# KiCad board AICORS_PCB.kicad_pcb (continued)
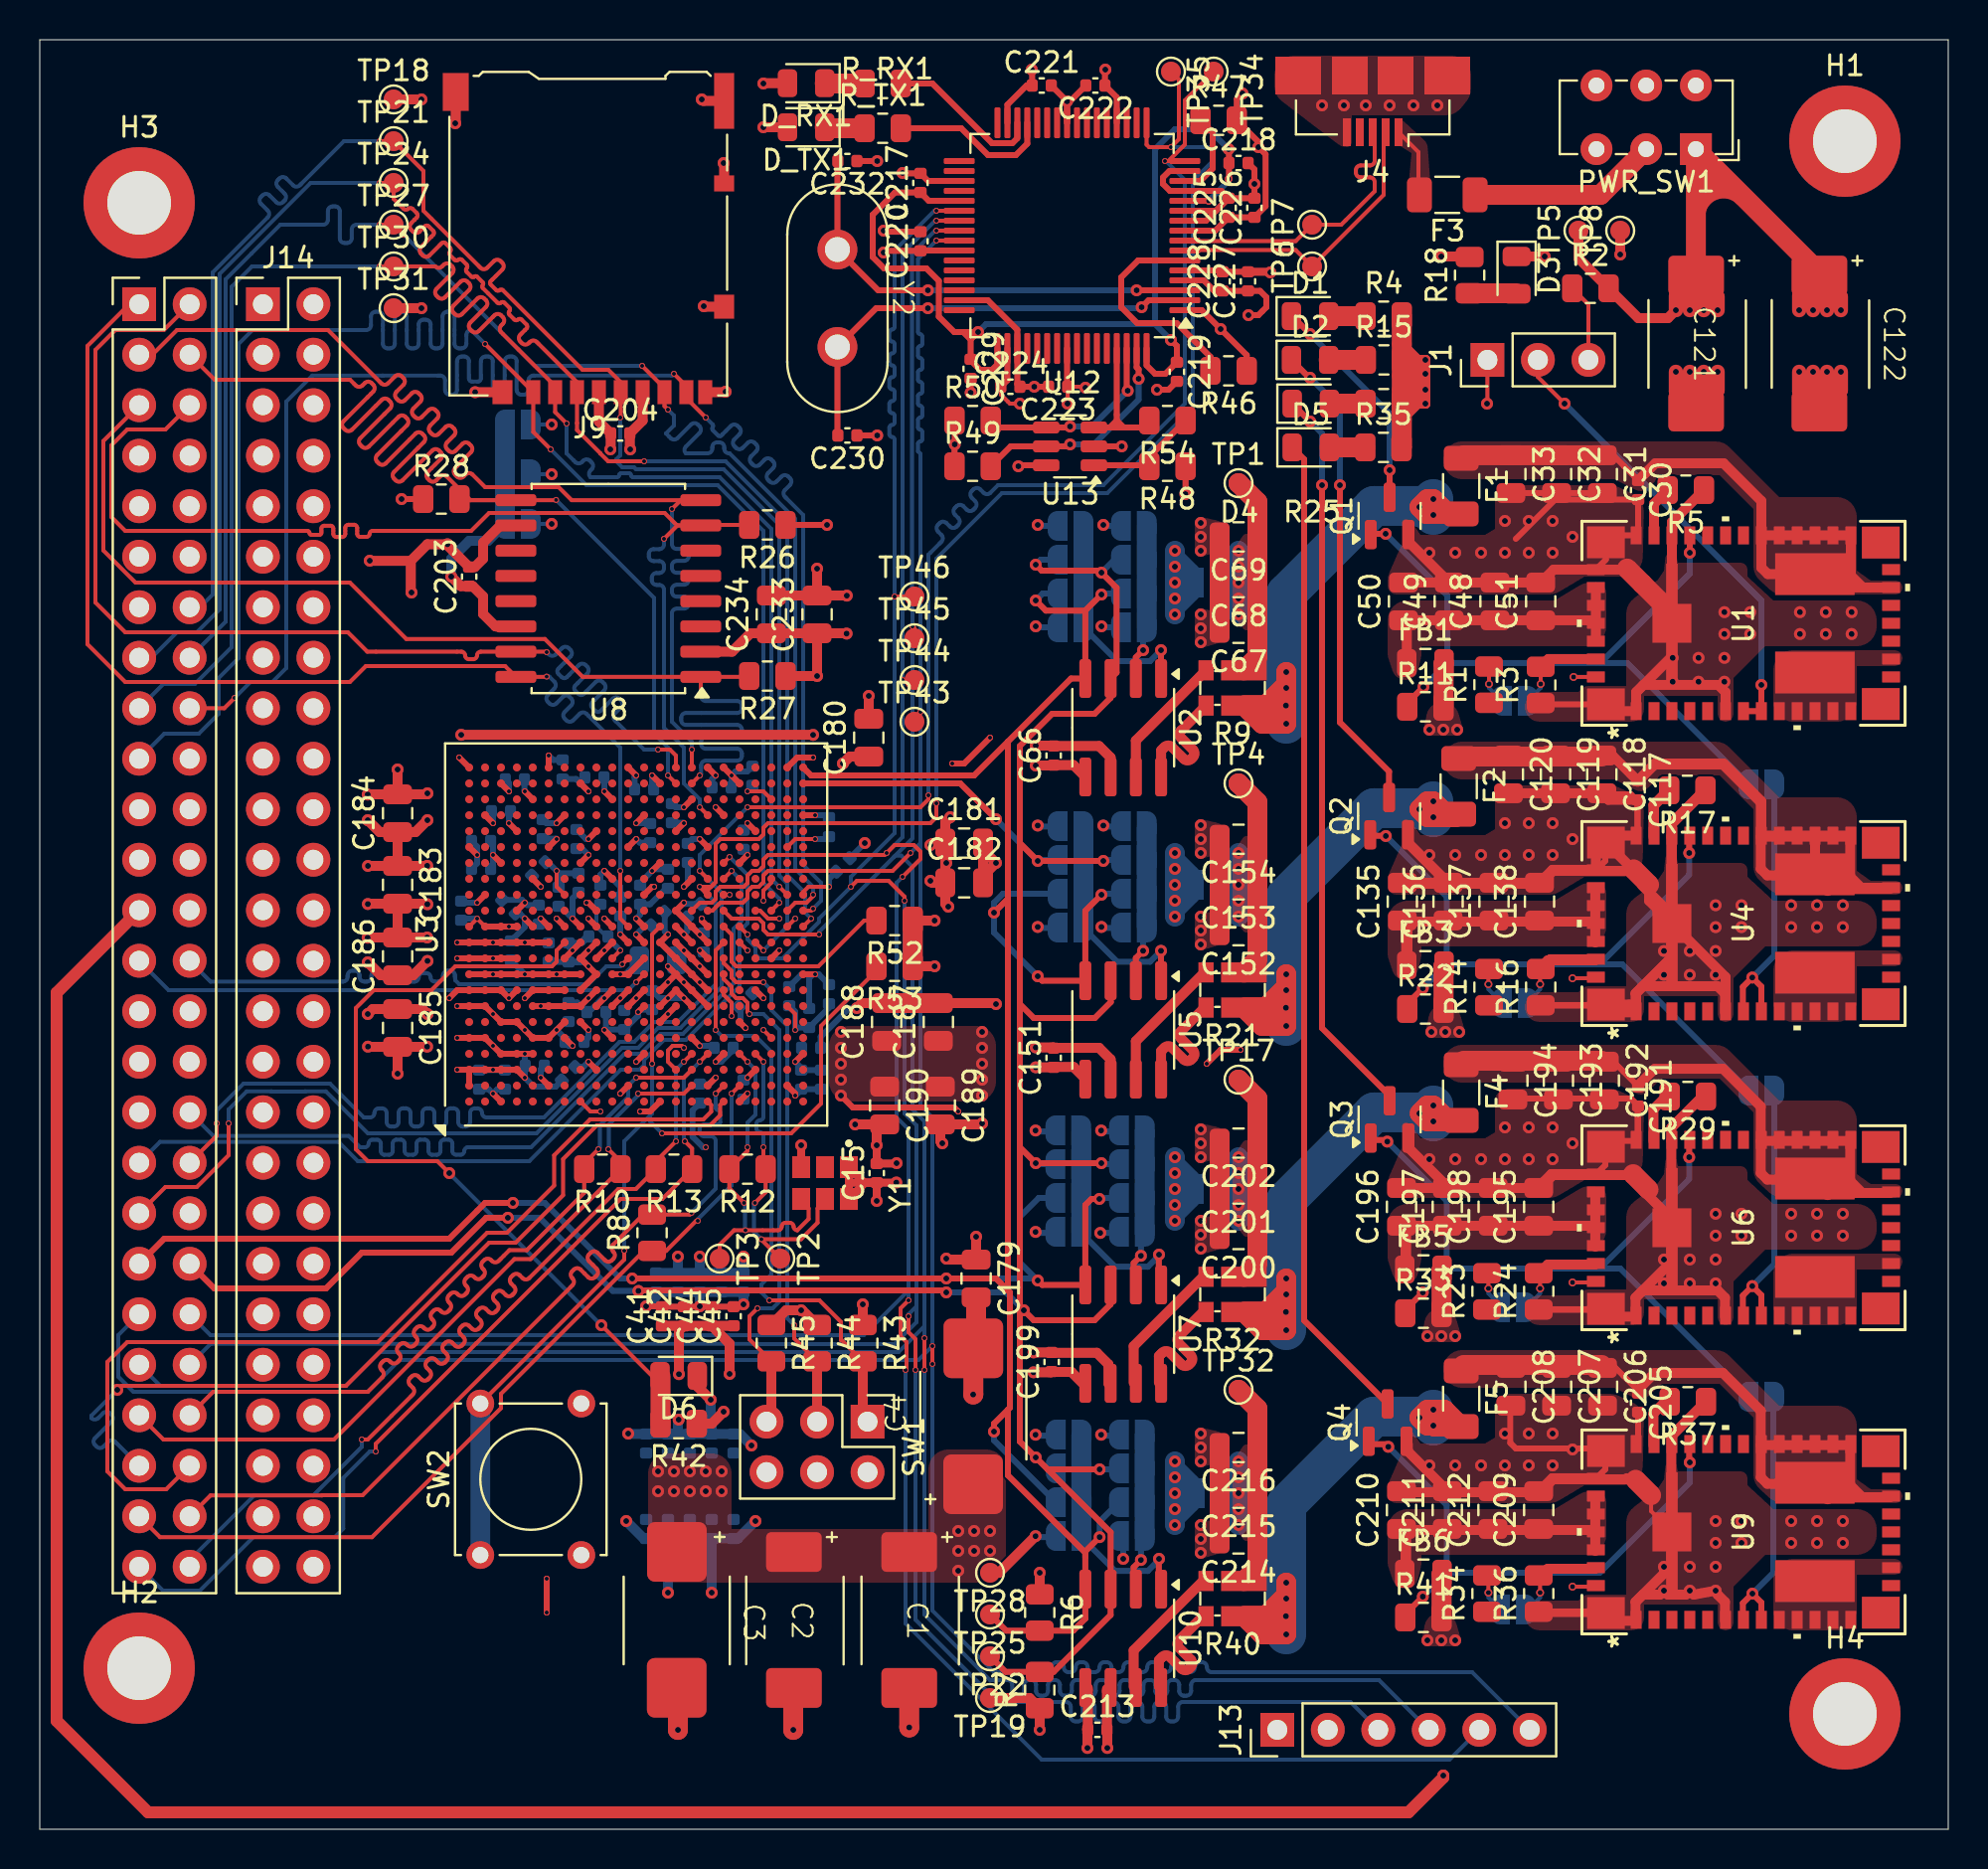
[diagram p0: board, top side]
## Routing (per net, layer and track width the routed paths; a pad name or vN(x,y) marks a point on that pad's centre or on a via; arc(x,y) is an arc through that point) (continued)
+5V: length 190.1
  Top w0.2: 83.68,81.1 arc(84.31,82.05) 85.43,81.82
  Top w0.5: v4(69.7,71.7) 69.31,71.7 68.51,70.9 ; v4(69.7,71.7) v4(69.7,73.9) ; v4(69.7,71.7) R25.2 ; 70.61,43.5 70.61,41.33 70.58,41.3 ; v4(69.7,73.9) 69.31,73.9 68.51,74.7 ; v4(69.7,73.9) R15.2 ; v4(69.7,73.2) 68.61,73.2 68.51,73.1 ; v4(69.7,72.4) 68.51,72.4 ; 70.61,28.2 70.61,26.03 70.58,26 ; 70.58,10.7 70.61,10.73 70.61,12.9 ; 71.91,79.1 70.49,79.1 ; v4(82.3,76.4) 81.9,76 80.41,76 R2.2 77.4,79.01 TP5.1
  Top w0.6: J10.25 0.85,42.07 0.85,5.45 5.45,0.85 68.85,0.85 70.6,2.6 v2(70.6,2.7)
  Top w0.71: v4(83,76.4) 83,77.82 C121.1 ; v4(90.6,76.4) 90.6,77.06 C122.1 ; C121.1 84.4,77.06 v4(84.4,76.4) ; C121.1 83.7,77.76 v4(83.7,76.4) ; C121.1 82.3,77.12 v4(82.3,76.4) ; C122.1 89.2,77.82 v4(89.2,76.4) ; C122.1 88.5,77.12 v4(88.5,76.4) ; C122.1 89.9,77.76 v4(89.9,76.4)
  Top w1: C121.1 83.31,78.15 PWR_SW1.1 89.52,78.29 C122.1 ; R33.2 70.51,28.13 FB5.2 ; R4.2 68.51,69.51 R35.2 ; R41.2 70.51,12.83 FB6.2 ; FB1.2 70.61,58.63 R11.2 ; FB3.2 70.61,43.43 R22.2
  vias: v2(69.8,24.8) v2(69.8,9.5) v2(69.9,55.3) v2(70,40.1) v2(70.5,79.1) v2(70.5,24.8) v2(70.5,9.5) v2(70.6,55.3) v2(70.7,40.1) v2(71.2,24.8) v2(71.2,9.5) v2(71.3,55.3) v2(71.4,40.1)
/VCCADC: length 4.4
  Top w0.2: U3.K10 v1(29.2,44.2)
  Bottom w0.2: v1(29.2,44.2) 28,45.4 28,46.32 C87.1
  Bottom w0.3: C86.1 28.58,44.82 v1(29.2,44.2)
AGND: length 3.7
  Top w0.3: U3.M10 U3.L9 U3.K9
  Bottom w0.2: FB4.1 30.16,43.4
  Bottom w0.3: 30.16,43.46 FB4.1 29.46,43 v1(29.2,43)
AGND_1: length 25.8
  Top w0.3: U1.1 75.56,56.58 R3.1
  Top w0.5: U1.45 82.1,61.15 ; U1.45 82.1,58.98 80.3,57.18 ; U1.45 82.1,60.65 U1.34 82.1,65.74 R5.1 ; U1.1 79.12,56.23 U1.2 80.3,57.18 ; 80.3,57.18 80.67,57.55 84.43,57.55 84.8,57.18 U1.7
  Top w1: 82.1,61.15 NT1.2
  vias: v2(82.14,58.91) v2(82.14,57.71) v2(83.44,58.91) v2(83.44,57.71) v2(84.74,61.21) v2(84.74,60.11) v2(84.74,58.91) v2(84.74,57.71) v2(86.04,61.21) v2(86.04,60.11) v2(88.54,61.21) v2(88.54,60.11) v2(89.84,61.21) v2(89.84,60.11) v2(91.14,61.21) v2(91.14,60.11)
AGND_2: length 29.1
  Top w0.3: 78.61,26.15 75.39,26.15 ; 78.75,26.12 75.53,26.12 75.47,26.19
  Top w0.5: 78.75,26.12 79.09,25.78 80.27,25.78 80.27,26.73 ; 80.27,26.73 80.64,27.1 84.4,27.1 84.77,26.73 84.77,25.78 ; 80.27,26.73 82.07,28.53 82.07,30.2 ; 82.07,30.2 82.07,30.7 80.59,32.18 ; 82.07,30.2 82.07,35.29 83.68,36.9
  vias: v2(81.7,28.65) v2(81.7,27.45) v2(83,28.65) v2(83,27.45) v2(84.3,30.95) v2(84.3,29.85) v2(84.3,28.65) v2(84.3,27.45) v2(85.6,30.95) v2(85.6,29.85) v2(88.1,30.95) v2(88.1,29.85) v2(89.4,30.95) v2(89.4,29.85) v2(90.7,30.95) v2(90.7,29.85)
AGND_3: length 51.2
  Top w0.3: 75.47,41.49 75.53,41.42 78.75,41.42 ; 78.71,41.45 75.49,41.45
  Top w0.5: U4.45 82.1,43.86 80.3,42.06 U4.2 79.96,41.48 U4.1 ; U4.45 84.8,42.85 U4.7 ; U4.45 82.1,49.97 U4.34 82.1,50.57 R17.1 ; 82.07,45.5 82.07,46 80.59,47.48 ; 82.07,45.5 82.07,43.83 80.27,42.03 ; 82.07,45.5 82.07,50.59 83.68,52.2 ; 80.27,42.03 80.27,41.08 79.09,41.08 78.75,41.42 ; 80.27,42.03 80.64,42.4 84.4,42.4 84.77,42.03 84.77,41.08 ; U4.45 80.95,46.7 NT3.2
  vias: v2(81.7,44.17) v2(81.7,42.97) v2(83,44.17) v2(83,42.97) v2(84.3,46.47) v2(84.3,45.37) v2(84.3,44.17) v2(84.3,42.97) v2(85.6,46.47) v2(85.6,45.37) v2(88.1,46.47) v2(88.1,45.37) v2(89.4,46.47) v2(89.4,45.37) v2(90.7,46.47) v2(90.7,45.37)
AGND_4: length 29.9
  Top w0.2: NT6.2 81.05,16 U9.45
  Top w0.3: 78.62,10.95 75.4,10.95 ; 78.75,10.82 75.53,10.82 75.47,10.89
  Top w0.5: 83.68,21.6 83.68,21.38 82.07,19.77 82.07,14.9 ; 80.27,11.43 81.7,12.86 v2(81.7,13.2) 82.04,13.2 82.07,13.23 82.07,14.9 ; 80.27,11.43 80.27,10.48 79.09,10.48 78.75,10.82 ; 80.27,11.43 80.64,11.8 81.5,11.8 v2(81.7,12) 81.9,11.8 82.8,11.8 v2(83,12) 83.2,11.8 v2(84.3,12) 84.4,11.8 84.77,11.43 84.77,10.48 ; 82.07,14.9 82.07,15.4
  vias: v2(83,13.2) v2(84.3,15.5) v2(84.3,14.4) v2(84.3,13.2) v2(85.6,15.5) v2(85.6,14.4) v2(88.1,15.5) v2(88.1,14.4) v2(89.4,15.5) v2(89.4,14.4) v2(90.7,15.5) v2(90.7,14.4)
GND: length 510.6
  Top w0.2: U3.V11 v1(35.6,44.2) ; U3.A12 v1(22,45.8) U3.B12 ; U3.G14 26,47.4 v1(26,48.2) ; U3.AA12 v1(38,45.8) ; U3.P3 31.6,38.6 31.6,39.17 31.83,39.4 32.3,39.4 v1(32.4,39.3) ; v1(36.4,40.2) U3.Y5 ; v2(72.8,71.7) 72.82,71.72 J1.1 ; U3.Y15 36.8,47.61 36.4,47.21 v1(36.4,46.7) ; v1(28.2,36.1) 27.7,36.1 U3.H1 ; U3.U22 v1(34.8,53) U3.V21 ; v1(34.7,47) U3.U14
  Top w0.3: U3.E20 v1(24.4,52.2) ; U3.M11 v1(30,45) ; C220.2 42.5,80.35 v2(42.45,80.4) ; U12.11 59.17,81.4 C225.2 ; U3.A2 U3.A3 ; U3.A3 v1(21,38.2) ; U3.A3 U3.B3 U3.C3 U3.D3 v1(24.4,37.8) ; C222.2 51.68,86.76 U12.25 v2(51.68,86.91) C221.2 ; U3.J8 U3.H7 U3.E7 ; 78.24,17.6 78.75,18.1 78.75,18.97 78.57,19.15 74.25,19.15 73.97,19.43 73.97,21.45 ; C31.2 C32.2 C33.2 ; U3.G8 U3.E8 v1(24.4,41.8) ; U12.1 58.45,76.4 59.41,75.44 ; C229.2 v2(46.82,72.25) ; 73.97,52.05 80.04,52.05 80.37,51.72 80.37,50.02 80.27,49.92 79.1,49.92 78.75,49.57 78.75,48.7 78.24,48.2 ; v1(21,41.4) U3.A7 U3.B7 U3.C6 U3.D6 U3.E5 U3.F5 U3.G6 ; U3.F11 U3.A11 v1(21,44.6) ; U12.15 56.83,83.4 56.5,83.07 56.5,82.75 56.85,82.4 U12.13 59.43,82.4 C225.2 ; U3.D8 v1(23.6,41.8) U3.C8 U3.A8 21,42.2 v1(20.6,41.8) ; U13.2 v2(54.43,69.55) ; U3.L22 v1(30,53) ; U3.K7 U3.L8 ; U3.G5 v1(26.8,39.4) ; 78.24,32.9 78.75,33.4 78.75,34.27 79.1,34.62 80.27,34.62 80.37,34.72 80.37,36.42 80.04,36.75 73.97,36.75 ; U3.P9 U3.R8 U3.T7 ; U3.P9 v1(31.6,43.4) ; U3.P9 U3.N8 ; C225.2 C226.2 v2(61.1,82.75) 61.1,83.48 C218.2 ; C225.2 58.67,80.9 U12.10 ; U3.G12 v1(26,45.8) ; v1(21,43.8) U3.A10 U3.D10 ; v2(56.2,72.4) 56.78,72.4 C219.2 ; U3.W8 v1(36.4,41.8) ; v1(38,36.9) 38,37 U3.AA2 ; U3.M19 v1(30,50.6) ; U3.F17 v1(26,49.8) ; U3.L2 v1(29.2,37) ; U3.J10 U3.K11 ; U3.D13 v1(24.4,46.6) ; v1(21,39.8) U3.A5 U3.B5 U3.C4 U3.E4 ; U3.V21 U3.U22 ; U3.J12 v1(27.6,45.8) ; U3.U4 v1(34,38.6) ; U3.R20 v1(32.4,51.4) ; U3.W18 v1(35.6,50.6) ; U3.C16 v1(22.8,49) ; U3.H11 U3.G10 ; v2(30.5,26.3) 31.28,26.3 C41.2 35.28,26.28 v2(35.4,26.4) ; U3.H21 v1(27.6,52.2) ; 80.38,51.75 80.38,50.05 ; U3.AA22 38.1,53.9 v1(38.9,53.9) ; U3.P11 U3.T9 ; 74.25,64.9 76.22,66.87 C30.2 80.4,65.17 U1.36 79.13,65.07 U1.37 78.78,63.86 U1.38 ; U3.K15 v1(28.4,48.2) ; U3.T11 U3.P13 v1(32.4,46.6) ; U12.35 44.68,82.9 C217.2 43.42,83.28 v2(43.4,83.3) ; U3.B19 v1(22.8,50.6) ; U3.AB19 v1(39,51) ; 41.1,70.1 v2(42.13,70.1) ; U3.D12 U3.B12 ; U3.M7 v1(30.1,41.1) ; R46.1 60.71,74.14 v2(59.4,75.45) ; C224.2 49.18,72.68 U12.51 49.18,75.41 47.69,76.9 U12.47 ; U3.K5 v1(28.4,40.2) ; 80.4,36.35 80.4,34.65 ; U3.N16 v1(30.8,48.2) ; C223.2 v2(50.02,72.55) 49.41,72.55 ; U3.J18 v1(27.6,49.8) ; U3.V1 v1(35.6,37) ; 80.4,20.95 80.4,19.25 ; U12.5 59.43,78.4 C228.2 C227.2 ; U3.T17 v1(33.2,49.8) ; U3.H9 U3.A9 ; 41.1,83.9 v2(42.13,83.9) ; U3.AB9 v1(39,43) ; U3.N6 U3.P7 ; U3.A22 v1(21.1,53.9)
  Top w0.4: Y1.3 v2(38.3,34.4) ; C227.2 61.87,78.33 v2(61.9,78.3) ; v2(42.1,34.4) C15.2 43.08,33.48 v2(43.1,33.5)
  Top w0.5: v2(45.4,34.5) 45.3,34.6 C189.2 47.35,35.45 v2(47.4,35.5) ; C135.2 C138.2 76.09,48.25 U4.38 78.28,49.12 U4.37 ; C184.2 v2(18,53.3) ; C184.2 19.45,52.05 v2(19.5,52.1) ; C184.2 16.51,52.05 v2(16.5,52.04) ; U6.38 76.04,32.95 75.34,32.25 ; J9.9 34.48,72.28 v2(34.5,72.3) ; v2(53.7,4.09) 53.7,4.97 ; C185.2 v2(18,38) ; C185.2 16.52,39.35 v2(16.51,39.36) ; C185.2 19.48,39.35 v2(19.49,39.36) ; v2(50.09,14.74) 48.25,12.9 TP28.1 ; v2(16.49,44.84) 16.51,44.85 C186.2 ; C183.2 19.47,46.55 v2(19.5,46.52) ; C183.2 C186.2 ; C183.2 16.52,46.55 v2(16.5,46.53) ; v2(48.1,41.5) 48.05,41.55 C187.2 ; 75.38,16.95 76.08,17.65 78.32,17.65 ; 68.85,64.75 C49.2 ; 68.83,49.62 C136.2 ; 79.82,32.95 79.76,32.9 76.12,32.9 75.47,32.25 68.57,32.25 ; C186.2 v2(19.49,44.85) 19.5,44.87 ; 68.82,34.3 70.87,32.25 ; v2(41.01,35.45) 41.02,35.45 C190.2 42.1,35.05 v2(42.1,34.4) ; NT1.1 79.79,63.35 U1.38 76.15,63.35 C51.2 C50.2 ; C180.2 v2(41.7,57) ; 53.68,6.94 53.87,7.12 ; 53.68,5.03 53.66,5.01 ; v2(21.9,72.28) J9.11 ; U2.6 53.87,53.9 53.28,54.48 C66.2 50.98,54.5 v2(50.1,54.5) ; v2(41.1,41.3) 41.35,41.55 C188.2 ; 23.95,65.58 23.18,65.58 22.3,64.7 22.3,63.9 21.88,63.48 C203.2 20.51,64.57 v2(20.51,64.63) 19.5,64.63 18.66,63.79 ; R45.1 37.54,26.1 38.36,26.1 R44.1 ; J9.10 34.43,83.78 v2(34.4,83.8) ; NT3.1 80.13,48.28 U4.37 ; v2(50.1,39.32) 50.98,39.32 51,39.3 53.28,39.3 53.87,38.72 53.87,37.75 ; v2(16.6,63.8) 16.61,63.79 18.66,63.79 ; U4.37 79.13,49.97 U4.36 ; v2(33.4,76.6) 33.43,76.58 J9.11 ; J9.11 20.93,85.83 ; v2(33.3,87) 33.38,86.93 J9.11 ; v2(75.7,79.1) D3.1 ; J9.6 30.33,70.85 C204.2 29.68,69.42 v2(29.7,69.4) ; 18.66,63.79 18.66,62.24 v2(18.7,62.2) ; C117.2 78.91,51.77 C118.2 C120.2 ; 79.82,48.25 79.76,48.2 76.12,48.2 75.47,47.55 68.57,47.55 ; 79.82,17.65 79.76,17.6 76.12,17.6 75.47,16.95 68.57,16.95 ; TP31.1 v2(19.2,76.5) ; v2(49.99,23.98) 50.87,23.98 50.89,23.96 53.18,23.96 53.76,23.38 53.76,22.41 ; TP8.1 v2(79.5,79.2) ; D6.1 33.08,22.28 v2(33.75,21.6) ; 68.82,19.36 68.82,19 70.87,16.95 ; C234.2 C233.2 ; C233.2 40.59,62.05 ; C233.2 v2(39.1,63.4) ; C213.2 53.68,7.05 ; R43.1 v2(41.4,26.4) ; 68.82,49.6 70.87,47.55 ; 47.45,47.95 v2(48.1,48.6) 47.45,49.25 C181.2 C182.2 47.45,47.95
  Top w0.71: C121.2 84.4,72.38 v4(84.4,73.3) ; C121.2 83.7,71.68 v4(83.7,73.3) ; C121.2 83,71.62 v4(83,73.3) ; C121.2 82.3,72.32 v4(82.3,73.3) ; v4(88.5,73.3) 88.5,72.32 C122.2 ; v4(89.2,73.3) 89.2,71.62 C122.2 ; v4(89.9,73.3) 89.9,71.68 C122.2 ; C122.2 90.6,72.38 v4(90.6,73.3)
  Top w1: 32.1,6.98 32.1,5 v2(32.1,5) ; C179.2 47.1,24.33 C4.2 46.96,21.87 v2(46.95,21.86) ; 59.35,29.9 59.35,34.5 ; 37.9,6.98 37.9,5 v2(37.9,5) ; C187.2 C188.2 ; v2(43.74,5.12) 43.74,5.12 43.74,7.11 ; C67.2 C69.2 ; C214.2 C216.2 ; 59.35,45.2 59.35,49.8
  Bottom w0.2: JP10.2 v2(25.75,70.65) ; C17.2 24.42,44.58 v1(24.4,44.6)
  Bottom w0.3: v1(24.4,43) 23.7,43.7 C88.2 ; v2(50.09,14.74) 50.14,14.69 51.09,14.69 ; C96.2 39.28,39.86 40.72,41.3 v2(41.1,41.3) ; C128.2 34.8,52.42 v1(34.8,53) 35,53.2 35.58,53.2 C143.2 ; C140.2 v2(41.5,49.6) ; C157.2 22.8,49.58 v1(22.8,49) 22.8,48.42 C156.2 ; v1(22,45.8) 21.28,45.8 C158.2 ; C170.2 C160.2 ; 26.1,48.1 26.12,48.08 C92.2 ; 26.1,48.1 v1(26,48.2) 25.56,48.64 C167.2 ; 26.1,48.1 C91.2 ; C141.2 39.58,51 v1(39,51) ; v2(53.41,60.5) 53.46,60.45 J3.4 ; 54.39,45.33 53.45,45.33 v2(53.4,45.38) ; C106.2 38.32,43 38.9,43 ; C28.2 29.2,47.4 v1(28.4,48.2) 28.2,48 C87.2 ; v1(27.6,49.8) 27.48,49.8 C231.2 ; v1(27.6,52.2) 26.98,52.82 C155.2 ; v1(30,45) 30.46,45.46 C20.2 ; C159.2 24.38,52.22 v1(24.4,52.2) ; C98.2 36.16,42.04 v1(36.4,41.8) ; C93.2 32.46,46.54 v1(32.4,46.6) ; C27.2 30.22,41.22 v1(30.1,41.1) 30.1,40.92 C29.2 28.42,40.22 v1(28.4,40.2) 28.48,40.28 C16.2 ; 34.88,39.2 34.28,38.6 v1(34,38.6) ; v2(50.09,30.04) 50.14,29.99 51.09,29.99 ; v2(50.2,45.38) 50.25,45.33 51.2,45.33 ; 38.9,43 v1(39,43) 39.18,43 C97.2 ; 38.9,43 38.7,42.8 C110.2 ; C142.2 29.92,52.92 v1(30,53) ; v2(50.1,60.5) 50.15,60.45 J2.4 ; C124.2 31.98,51.4 v1(32.4,51.4) ; v1(26,49.8) 25.98,49.82 C123.2 ; C89.2 24.26,46.74 v1(24.4,46.6) 24.52,46.48 C139.2 ; 31.5,48.28 30.88,48.28 v1(30.8,48.2) 30.2,47.6 C90.2 ; C108.2 38.3,37.2 v1(38,36.9) 38.32,37.22 C95.2 ; 35.3,36.72 35.32,36.72 v1(35.6,37) ; C168.2 22.8,51.12 v1(22.8,50.6) ; v1(30,50.6) 30.68,50.6 C125.2 ; C99.2 32.84,36.16 32.84,34.83 33.37,34.3 v1(33.5,34.3) ; C169.2 25.95,37.35 24.85,37.35 v1(24.4,37.8) v1(24.4,39) ; v2(54.5,13.6) 54.5,14.47 54.28,14.69 ; v2(53.35,29.99) 54.28,29.99 ; v1(33.2,49.8) 32.82,49.8 C127.2 ; C23.2 26.42,40.62 v1(26,40.2) 26.42,39.78 C171.2 26.62,39.4 v1(26.8,39.4) ; 27.3,44.58 C86.2 27.5,44.9 v1(26.8,44.2) 26.6,44.4 C21.2 27.3,44.58
  Bottom w0.5: C19.2 33.8,20.2 33.75,20.25 v2(33.75,21.6) ; v2(32.14,20.6) 32.1,20.56 32.1,19.88 ; C43.2 v2(33.2,26.3) ; 32.1,19.88 C18.2 35.22,19.88 v2(35.8,19.3) ; 32.1,19.88 C22.2 29.62,19.88 v2(29.6,19.9) ; C47.2 v2(31.6,11.9) ; C35.2 v2(33.8,11.9) ; v2(30.5,26.3) 31,26.8 C36.2 C40.2 v2(35.4,26.4) ; v2(36,15.5) 35.12,14.62 C37.2 C46.2 30.38,14.62 v2(29.5,15.5)
  vias: v1(22.8,44.6) v1(22.8,43.8) v1(22.8,43) v1(22.8,41) v1(22.8,39.4) v1(22.8,38.2) v1(23.6,45.4) v1(24.4,40.2) v1(25.2,41.4) v1(26,43) v1(27.6,41.8) v1(28.4,44.2) v1(29.2,41.8) v1(31.6,42.6) v1(31.6,41) v1(32.4,44.2) v1(32.4,42.6) v1(33.2,45) v1(33.2,43.4) v2(20.9,85.8) v2(38.3,26.1) v2(40.6,62.04) v2(58.4,65.7) v2(58.4,65) v2(58.4,64.3) v2(58.4,61.1) v2(58.4,60.4) v2(58.4,59.7) v2(58.4,50.5) v2(58.4,49.8) v2(58.4,49.1) v2(58.4,45.9) v2(58.4,45.2) v2(58.4,44.5) v2(58.4,35.2) v2(58.4,34.5) v2(58.4,33.8) v2(58.4,30.6) v2(58.4,29.9) v2(58.4,29.2) v2(58.4,19.9) v2(58.4,19.2) v2(58.4,18.5) v2(58.4,15.3) v2(58.4,14.6) v2(58.4,13.9) v2(64.5,86.7) v2(65.6,86.7) v2(66.7,86.7) v2(67.9,86.7) v2(69.1,86.7) v2(69.9,64.2) v2(69.9,49) v2(69.9,33.7) v2(69.9,18.3) v2(70.3,86.7) v2(71.2,64.2) v2(71.2,49) v2(71.2,33.7) v2(71.2,18.3) v2(72.5,64.2) v2(72.5,49) v2(72.5,33.7) v2(72.5,18.3) v2(73.7,65.8) v2(73.7,64.2) v2(73.7,50.6) v2(73.7,49) v2(73.7,35.3) v2(73.7,33.7) v2(73.7,19.9) v2(73.7,18.3) v2(74.9,65.8) v2(74.9,64.2) v2(74.9,50.6) v2(74.9,49) v2(74.9,35.3) v2(74.9,33.7) v2(74.9,19.9) v2(74.9,18.3) v2(76.1,65.8) v2(76.1,64.2) v2(76.1,50.6) v2(76.1,49) v2(76.1,35.3) v2(76.1,33.7) v2(76.1,19.9) v2(76.1,18.3) v2(77.1,65) v2(77.1,49.8) v2(77.1,34.5) v2(77.1,19.1)
VCCINT: length 208.2
  Top w0.2: v3(77.1,12.2) 78.24,12.2 ; U3.R9 32.5,43.3
  Top w0.3: U3.J11 U3.H10 U3.J9 U3.H8 ; v1(25.5,10.9) v1(25.5,12.6) ; U3.N7 U3.P8 U3.R7 ; U3.T8 U3.P10 U3.N11 v1(31.6,45) ; U3.K8 U3.J7 ; U3.M8 U3.L7 ; U3.L11 v1(29.2,45) ; U3.T10 v1(33.2,44.2)
  Top w0.5: C42.1 32.15,25.07 v2(32.15,22.89) ; v2(34.7,22.9) 34.7,24.42 C44.1 ; C41.1 C45.1
  In4.Cu w0.3: 31,35.7 30.2,34.9 30.2,28.88 28.9,27.58 28.9,17.3 25.5,13.9 v1(25.5,12.6) ; v1(25.5,10.9) 25.5,10.2 27.1,8.6 64.2,8.6 66.1,10.5 75,10.5 76.7,12.2 v3(77.1,12.2)
  In4.Cu w0.5: J10.21 1.8,48.1 1.8,13.8 3.8,11.8 28.5,11.8 31.1,14.4 v2(31.1,17)
  Bottom w0.2: C26.1 33.28,44.12 v1(33.2,44.2) ; C21.1 27.38,43.62 ; 27.02,43.62 C17.1
  Bottom w0.3: 27.2,43.62 27.38,43.62 v1(27.6,43.4) ; 27.2,43.62 27.02,43.62 ; 27.2,43.62 C17.1 ; 27.02,43.62 v1(27.6,44.2) ; 27.02,43.62 C21.1 ; v1(28.4,41.8) 28.31,41.8 27.61,41.1 C16.1 27.04,41.58 C23.1 ; v1(32.4,41.8) v1(31.6,41.8) 31.18,41.8 C27.1 30.38,42.18 v1(30,41.8) 29.4,41.2 C29.1 ; v1(31.6,45) 31.44,45.16 C20.1 ; C28.1 v1(29.2,45)
  Bottom w0.5: C36.1 C40.1 v2(35.4,28.8) ; C38.1 v2(32.1,28.8) ; v2(57.1,18.5) 58.05,17.55 58.05,16.25 v2(57.1,15.3) ; v2(33.2,28.8) C43.1
  Bottom w1: v2(57.1,15.3) v2(57.1,18.5) ; v2(57.1,16.1) 57.9,16.9 58.05,16.9 57.25,17.7 v2(57.1,17.7)
  vias: v1(33.2,42.6) v2(31.1,18) v2(31.9,18) v2(31.9,17) v2(32.7,18) v2(32.7,17) v2(33.5,18) v2(33.5,17) v2(34.3,18) v2(34.3,17) v2(46.2,15) v2(46.2,14) v2(46.2,13) v2(47,15) v2(47,14) v2(47.8,15) v2(47.8,14) v2(57.1,16.9)
ADC_IN_N: length 26.3
  Top w0.2: U3.M9 v1(30,42.6)
  Bottom w0.2: J10.27 6.48,42.2 29.6,42.2 v1(30,42.6)
ADC_IN_P: length 26.4
  Top w0.2: U3.L10 v1(29.3,43.5)
  Bottom w0.2: v1(29.3,43.5) 29.2,43.4 28.5,43.4 27.6,42.5 21.1,42.5 20.9,42.7 20.9,42.8 20.89,42.81 arc(20.89,42.84) 20.89,42.87 20.89,42.94 arc(20.82,43.11) 20.65,43.18 20.53,43.18 arc(20.36,43.11) 20.29,42.94 20.29,42.87 arc(20.22,42.7) 20.05,42.63 19.88,42.63 arc(19.72,42.69) 19.66,42.84 arc(19.6,43) 19.45,43.06 19.28,43.06 arc(19.12,43) 19.06,42.84 arc(19,42.69) 18.85,42.63 18.73,42.63 arc(18.56,42.7) 18.49,42.87 18.49,42.94 arc(18.42,43.11) 18.25,43.18 18.13,43.18 arc(17.96,43.11) 17.89,42.94 17.89,42.87 arc(17.82,42.7) 17.65,42.63 17.53,42.63 arc(17.36,42.7) 17.29,42.87 17.29,42.94 arc(17.22,43.11) 17.05,43.18 16.93,43.18 arc(16.76,43.11) 16.69,42.94 16.69,42.87 arc(16.62,42.7) 16.45,42.63 16.33,42.63 arc(16.16,42.7) 16.09,42.87 16.09,42.94 arc(16.02,43.11) 15.85,43.18 15.73,43.18 arc(15.56,43.11) 15.49,42.94 15.49,42.87 arc(15.42,42.7) 15.25,42.63 8.59,42.63 J10.28
FPAG_M0: length 30.3
  Top w0.2: v1(34,40.2) 34,44.2 U3.U11 ; v1(36.7,26.6) 39.22,26.6 40.3,25.52 40.3,24.6 40.34,24.6 R43.2
  Top w0.5: R43.2 41.4,20.74 SW1.1
  Bottom w0.2: v1(36.7,26.6) 36.3,27 36.3,27.4 36.8,27.9 36.8,39.1 36,39.9 34.3,39.9 v1(34,40.2)
FPGA_DONE: length 41.7
  Top w0.2: D6.2 30.8,22.8 v2(28.25,25.35) ; v2(20.6,33) 20,33.6 16.5,33.6 15.9,34.2 15.9,41.3 16.8,42.2 19.7,42.2 20.9,43.4 25.77,43.4 26,43.63 26,44.2 U3.G11
  Top w1: R42.2 31.23,22.78
  Bottom w0.2: v2(20.6,33) 20.6,32.99 28.24,25.35 v2(28.25,25.35)
FPGA_M1: length 26
  Top w0.2: U3.U10 34.4,43.57 34.8,43.17 34.8,42.83 35.03,42.6 v1(36.4,42.6) ; R44.2 37.95,24.69 v1(37.95,25.35)
  Top w0.5: SW1.3 R44.2
  Bottom w0.2: v1(36.4,42.6) 36.8,42.2 36.8,41.2 37.6,40.4 37.6,25.7 v1(37.95,25.35)
FPGA_M2: length 25.9
  Top w0.2: v1(36.1,26.2) 35.7,25.8 35.7,24.64 R45.2 ; v1(35.7,41) 35.6,41.1 35.6,41.57 35.37,41.8 35.03,41.8 34.8,42.03 34.8,42.37 34.4,42.77 U3.U9
  Top w0.5: SW1.5 36.8,20.74 R45.2
  Bottom w0.2: v1(36.1,26.2) 36.87,26.2 37.2,26.53 37.2,40.2 36.4,41 v1(35.7,41)
IIC_SCL: length 169.9
  Top w0.3: 52.6,61.29 50.61,61.29 v2(50.1,61.8) ; 52.6,61.29 52.6,57.88 51.88,57.88 48.7,54.7 ; 52.6,61.29 v2(53.41,62.1) ; v2(29.8,27.7) v2(45.6,27.7) 48.1,27.7 48.7,27.1 ; 48.7,54.7 48.7,47.3 ; 48.7,54.7 47,53 38.8,53 U3.AB22 ; v2(53.3,31.7) 52.9,31.7 52.6,31.4 52.6,27.38 50.43,27.38 v2(50.2,27.6) ; 48.7,21.1 48.7,17.8 52.6,13.91 52.6,13.7 ; 48.7,21.1 48,20.4 v2(48,20) ; 48.7,21.1 48.8,21.2 48.8,27 48.7,27.1 ; 48.7,47.3 48.7,46.8 v2(48,46.1) ; 48.7,47.3 48.7,27.1 ; J10.39 6.26,29.7 20.6,29.7 22.4,31.5 v2(23.8,31.5) ; v2(50.2,42.9) 50.43,42.68 U5.4 52.6,46.19 v2(53.41,47) ; TP25.1 48.61,9.99 R6.2 51.99,9.99 52.6,10.59 U10.4 52.6,13.7 ; 52.6,13.7 52.6,13.98 v2(53.31,14.69)
  Bottom w0.3: v2(45.6,27.7) 50.1,27.7 v2(50.2,27.6) 49.3,28.5 49.3,30.8 50.25,31.75 J7.3 ; J11.3 48,19.56 v2(48,20) ; J8.3 53.35,31.75 v2(53.3,31.7) ; v2(23.8,31.5) 25.4,31.5 29.2,27.7 v2(29.8,27.7) ; v2(53.41,47) 53.46,47.05 J6.3 ; v2(50.1,61.8) 50.45,62.15 J2.3 ; J3.3 53.46,62.15 v2(53.41,62.1) ; v2(53.31,14.69) 53.31,15.47 J12.3 ; v2(50.2,42.9) 48,45.1 v2(48,46.1) 48,46.6 48.45,47.05 J5.3
IIC_SDA: length 161.6
  Top w0.2: 49.3,19.5 49.3,20
  Top w0.3: v2(53.5,48.7) v2(50.2,48.7) ; v2(50.2,48.7) 49.3,49.6 ; v2(50.2,48.7) 50.1,48.7 ; 49.3,20 49.3,20.1 ; 49.3,20.1 49.3,19.5 v2(50.1,18.7) 50.7,18.1 ; 49.3,20.1 49.3,26.5 ; 53.87,42.58 53.87,41.6 53.07,40.8 50,40.8 49.3,41.5 ; 49.3,26.5 49.3,34.3 ; 49.3,26.5 49.3,26.3 v2(49.5,26.1) 50,25.6 53.06,25.6 53.87,26.4 53.87,27.38 ; 49.3,34.3 v2(50.1,33.5) v2(53.4,33.5) ; 49.3,34.3 49.3,41.5 ; TP22.1 48.59,7.91 R7.2 51,7.91 53.87,10.78 U10.3 53.87,14.94 50.7,18.1 ; 49.3,49.6 49.3,54.48 50.92,56.1 53.06,56.1 53.87,56.9 53.87,57.88 54.16,58.17 54.16,62.44 v2(53.41,63.2) 53.3,63.3 50.4,63.3 v2(50.1,63.6) ; 49.3,49.6 49.3,41.5 ; v2(48.1,50.8) 46.3,52.6 U3.AB21 ; J10.40 8.78,27.2 14.4,27.2 16.2,29 20.7,29 22.45,30.75 v2(23.55,30.75) ; 50.7,18.1 v2(53.31,18.1) ; v2(45.6,27) 45.5,27.1 30.14,27.1 v2(30.11,27.07)
  Bottom w0.2: v2(50.1,18.7) 50.65,18.15 J11.2
  Bottom w0.3: J2.2 50.35,63.85 v2(50.1,63.6) ; v2(50.1,33.5) 50.15,33.45 J7.2 ; J8.2 53.45,33.45 v2(53.4,33.5) ; v2(53.41,63.2) 54.05,63.85 J3.2 ; J12.2 54.24,18.1 v2(53.31,18.1) ; v2(53.5,48.7) 53.55,48.75 J6.2 ; v2(30.11,27.07) 28.83,27.07 25.15,30.75 v2(23.55,30.75) ; v2(45.6,27) 48.6,27 v2(49.5,26.1) ; v2(48.1,50.8) v2(50.2,48.7) 50.25,48.75 J5.2
JTAG_TCK: length 160.8
  Top w0.2: v1(35.6,45) U3.V12 ; v1(44.05,23.1) 44.05,24.65 43.7,25 v1(43.7,25.8) ; v1(43.5,46.7) 43.5,46.9 42.7,47.7 41.1,47.7 v1(40.8,47.4) ; v1(43,62) TP46.1 ; U12.38 45.2,81.4
  Bottom w0.2: 43,62.6 v1(43,62) 43,61 ; 43,62.6 43,69.89 arc(42.96,69.99) 42.87,70.03 arc(42.77,70.07) 42.74,70.16 42.74,70.49 arc(42.77,70.59) 42.87,70.63 arc(42.96,70.67) 43,70.76 43,71.09 arc(42.96,71.19) 42.87,71.23 arc(42.77,71.27) 42.74,71.36 42.74,71.69 arc(42.77,71.79) 42.87,71.83 arc(42.96,71.87) 43,71.96 43,72.29 arc(42.96,72.39) 42.87,72.43 arc(42.77,72.47) 42.74,72.56 42.74,72.89 arc(42.77,72.99) 42.87,73.03 arc(42.96,73.07) 43,73.16 43,73.49 arc(42.96,73.59) 42.87,73.63 arc(42.77,73.67) 42.74,73.76 42.74,74.09 arc(42.77,74.19) 42.87,74.23 arc(42.96,74.27) 43,74.36 43,74.69 arc(42.96,74.79) 42.87,74.83 arc(42.77,74.87) 42.74,74.96 42.74,75.29 arc(42.77,75.39) 42.87,75.43 arc(42.96,75.47) 43,75.56 43,79.4 45,81.4 v1(45.1,81.4) ; 43,62.6 43,61 ; v1(44.05,23.1) 44.05,10.54 48.19,6.4 51.62,6.4 arc(51.79,6.33) 51.86,6.16 51.86,5.66 arc(51.93,5.49) 52.1,5.42 52.22,5.42 arc(52.39,5.49) 52.46,5.66 52.46,6.16 arc(52.53,6.33) 52.7,6.4 52.82,6.4 arc(52.99,6.33) 53.06,6.16 53.06,5.66 arc(53.13,5.49) 53.3,5.42 53.42,5.42 arc(53.59,5.49) 53.66,5.66 53.66,6.16 arc(53.73,6.33) 53.9,6.4 54.02,6.4 arc(54.19,6.33) 54.26,6.16 54.26,5.66 arc(54.33,5.49) 54.5,5.42 54.62,5.42 arc(54.79,5.49) 54.86,5.66 54.86,6.16 arc(54.93,6.33) 55.1,6.4 55.22,6.4 arc(55.39,6.33) 55.46,6.16 55.46,5.66 arc(55.53,5.49) 55.7,5.42 55.82,5.42 arc(55.99,5.49) 56.06,5.66 56.06,6.16 arc(56.13,6.33) 56.3,6.4 56.42,6.4 arc(56.59,6.33) 56.66,6.16 56.66,5.66 arc(56.73,5.49) 56.9,5.42 57.02,5.42 arc(57.19,5.49) 57.26,5.66 57.26,6.16 arc(57.33,6.33) 57.5,6.4 65.93,6.4 J13.3 ; v1(35.6,45) 35.6,44.77 36,44.37 36,44 36.2,43.8 37.37,43.8 39.2,45.63 39.2,45.8 v1(40.8,47.4) 40.8,47.9 43,50.1 43,61 ; v1(43.7,25.8) 43.7,25.9 44.1,26.3 ; v1(43.5,46.7) 43.5,36 44.1,35.4 44.1,26.3 ; 44.1,26.3 44.1,25.5 43,24.4 36.1,24.4 36.09,24.41 8.59,24.41 J10.44
JTAG_TDI: length 159.7
  Top w0.2: v1(43.7,26.6) 43.3,26.2 43.3,24.8 43.6,24.5 43.6,23.15 v1(43.55,23.1) ; v1(43.4,47.9) 44.3,48.8 44.3,49.17 43.97,49.5 43,49.5 v1(42.6,49.1) 42.5,49 36.63,49 36.4,48.77 36.4,48.43 36.17,48.2 35.83,48.2 35.6,47.97 35.6,47.59 35.41,47.4 34.23,47.4 34,47.17 34,46.79 33.81,46.6 33.2,46.6 U3.R13 ; U12.39 45.2,80.9 ; v1(43.4,57.8) TP44.1
  Bottom w0.2: 43.7,27.1 43.7,35.2 43.1,35.8 43.1,47.6 v1(43.4,47.9) ; 43.7,27.1 41.45,24.85 8.59,24.85 J10.42 ; 43.7,27.1 v1(43.7,26.6) ; v1(45.1,80.9) 45.03,80.9 43.4,79.27 43.4,58.8 ; 43.4,58.8 v1(43.4,57.8) 43.4,57 ; 43.4,58.8 43.4,57 ; v1(43.55,23.1) 43.55,10.35 50.4,3.5 70.91,3.5 J13.5 ; 43.4,57 43.4,49.9 v1(42.6,49.1)
JTAG_TDO: length 163.8
  Top w0.2: U12.40 45.2,80.4 ; v1(43.9,60.5) 44,60.4 TP45.1 ; v1(39.2,45) 36.63,45 36.4,45.23 36.4,45.57 36.17,45.8 34.8,45.8 U3.U13 ; v1(44.5,24.7) v1(44.5,23.1)
  Bottom w0.2: 42.96,48.9 43.03,48.97 43.33,48.97 43.9,48.4 43.9,36.2 44.5,35.6 44.5,25.3 ; 42.96,48.9 43.9,49.83 43.9,59.9 ; 42.96,48.9 39.2,45.13 v1(39.2,45) ; v1(44.5,23.1) 44.5,10.8 47.8,7.5 48.68,7.5 arc(48.85,7.43) 48.92,7.26 48.92,6.96 arc(48.99,6.79) 49.16,6.72 49.28,6.72 arc(49.45,6.79) 49.52,6.96 49.52,7.26 arc(49.59,7.43) 49.76,7.5 49.88,7.5 arc(50.05,7.43) 50.12,7.26 50.12,6.96 arc(50.19,6.79) 50.36,6.72 50.48,6.72 arc(50.65,6.79) 50.72,6.96 50.72,7.26 arc(50.79,7.43) 50.96,7.5 51.08,7.5 arc(51.25,7.43) 51.32,7.26 51.32,6.96 arc(51.39,6.79) 51.56,6.72 51.68,6.72 arc(51.85,6.79) 51.92,6.96 51.92,7.26 arc(51.99,7.43) 52.16,7.5 52.28,7.5 arc(52.45,7.43) 52.52,7.26 52.52,6.96 arc(52.59,6.79) 52.76,6.72 52.88,6.72 arc(53.05,6.79) 53.12,6.96 53.12,7.26 arc(53.19,7.43) 53.36,7.5 53.48,7.5 arc(53.65,7.43) 53.72,7.26 53.72,6.96 arc(53.79,6.79) 53.96,6.72 54.08,6.72 arc(54.25,6.79) 54.32,6.96 54.32,7.26 arc(54.39,7.43) 54.56,7.5 54.68,7.5 arc(54.85,7.43) 54.92,7.26 54.92,6.96 arc(54.99,6.79) 55.16,6.72 55.28,6.72 arc(55.45,6.79) 55.52,6.96 55.52,7.26 arc(55.59,7.43) 55.76,7.5 55.88,7.5 arc(56.05,7.43) 56.12,7.26 56.12,6.96 arc(56.19,6.79) 56.36,6.72 56.48,6.72 arc(56.65,6.79) 56.72,6.96 56.72,7.26 arc(56.79,7.43) 56.96,7.5 57.08,7.5 arc(57.25,7.43) 57.32,7.26 57.32,6.96 arc(57.39,6.79) 57.56,6.72 57.68,6.72 arc(57.85,6.79) 57.92,6.96 57.92,7.26 arc(57.99,7.43) 58.16,7.5 67.37,7.5 J13.4 ; 43.9,59.9 v1(43.9,60.5) 43.9,61.3 ; 43.9,59.9 43.9,61.3 ; 43.9,61.3 43.88,61.33 43.88,79.24 45.03,80.4 v1(45.1,80.4) ; 44.5,25.3 43.2,24 17.1,24 15.4,22.3 6.06,22.3 J10.43 ; 44.5,25.3 v1(44.5,24.7)
JTAG_TMS: length 167.4
  Top w0.2: TP43.1 44,55.9 v1(44.3,56.2) ; v1(44.9,24.3) v1(44.9,23.4) ; U3.T13 33.83,46.2 34.23,46.6 35.37,46.6 35.6,46.83 35.6,47.17 35.83,47.4 36.17,47.4 36.4,47.63 36.4,47.97 36.63,48.2 42.9,48.2 v1(43.8,49.1) ; U12.41 45.2,79.9
  Bottom w0.2: 44.3,49.6 v1(43.8,49.1) ; 44.3,49.6 44.3,50.93 44.3,51.27 44.3,51.27 v1(44.3,56.2) 44.3,69.18 44.18,69.3 44.18,69.69 arc(44.21,69.76) 44.28,69.79 arc(44.36,69.83) 44.39,69.9 44.39,70.29 arc(44.36,70.36) 44.28,70.39 arc(44.21,70.43) 44.18,70.5 44.18,70.89 arc(44.21,70.96) 44.28,70.99 arc(44.36,71.03) 44.39,71.1 44.39,71.49 arc(44.36,71.56) 44.28,71.59 arc(44.21,71.63) 44.18,71.7 44.18,72.09 arc(44.21,72.16) 44.28,72.19 arc(44.36,72.23) 44.39,72.3 44.39,72.69 arc(44.36,72.76) 44.28,72.79 arc(44.21,72.83) 44.18,72.9 44.18,73.29 arc(44.21,73.36) 44.28,73.39 arc(44.36,73.43) 44.39,73.5 44.39,73.89 arc(44.36,73.96) 44.28,73.99 arc(44.21,74.03) 44.18,74.1 44.18,74.49 arc(44.21,74.56) 44.28,74.59 arc(44.36,74.63) 44.39,74.7 44.39,75.09 arc(44.36,75.16) 44.28,75.19 arc(44.21,75.23) 44.18,75.3 44.18,78.98 v1(45.1,79.9) ; 44.3,49.6 44.3,36.4 44.9,35.8 v1(44.9,24.3) 44.2,23.6 18.1,23.6 16.5,22 4.71,22 3.95,22.76 3.95,24.85 J10.41 ; J13.6 72.05,7.9 58.95,7.9 arc(58.78,7.97) 58.71,8.14 58.71,8.16 arc(58.64,8.33) 58.47,8.4 58.35,8.4 arc(58.18,8.33) 58.11,8.16 58.11,8.14 arc(58.04,7.97) 57.87,7.9 57.75,7.9 arc(57.58,7.97) 57.51,8.14 57.51,8.16 arc(57.44,8.33) 57.27,8.4 57.15,8.4 arc(56.98,8.33) 56.91,8.16 56.91,8.14 arc(56.84,7.97) 56.67,7.9 56.55,7.9 arc(56.38,7.97) 56.31,8.14 56.31,8.16 arc(56.24,8.33) 56.07,8.4 55.95,8.4 arc(55.78,8.33) 55.71,8.16 55.71,8.14 arc(55.64,7.97) 55.47,7.9 55.35,7.9 arc(55.18,7.97) 55.11,8.14 55.11,8.16 arc(55.04,8.33) 54.87,8.4 54.75,8.4 arc(54.58,8.33) 54.51,8.16 54.51,8.14 arc(54.44,7.97) 54.27,7.9 54.15,7.9 arc(53.98,7.97) 53.91,8.14 53.91,8.16 arc(53.84,8.33) 53.67,8.4 53.55,8.4 arc(53.38,8.33) 53.31,8.16 53.31,8.14 arc(53.24,7.97) 53.07,7.9 52.95,7.9 arc(52.78,7.97) 52.71,8.14 52.71,8.16 arc(52.64,8.33) 52.47,8.4 52.35,8.4 arc(52.18,8.33) 52.11,8.16 52.11,8.14 arc(52.04,7.97) 51.87,7.9 51.75,7.9 arc(51.58,7.97) 51.51,8.14 51.51,8.16 arc(51.44,8.33) 51.27,8.4 51.15,8.4 arc(50.98,8.33) 50.91,8.16 50.91,8.14 arc(50.84,7.97) 50.67,7.9 48,7.9 44.9,11 v1(44.9,23.4)